# Allegro board HY_MWYT_3S12_V10A.brd (continued)
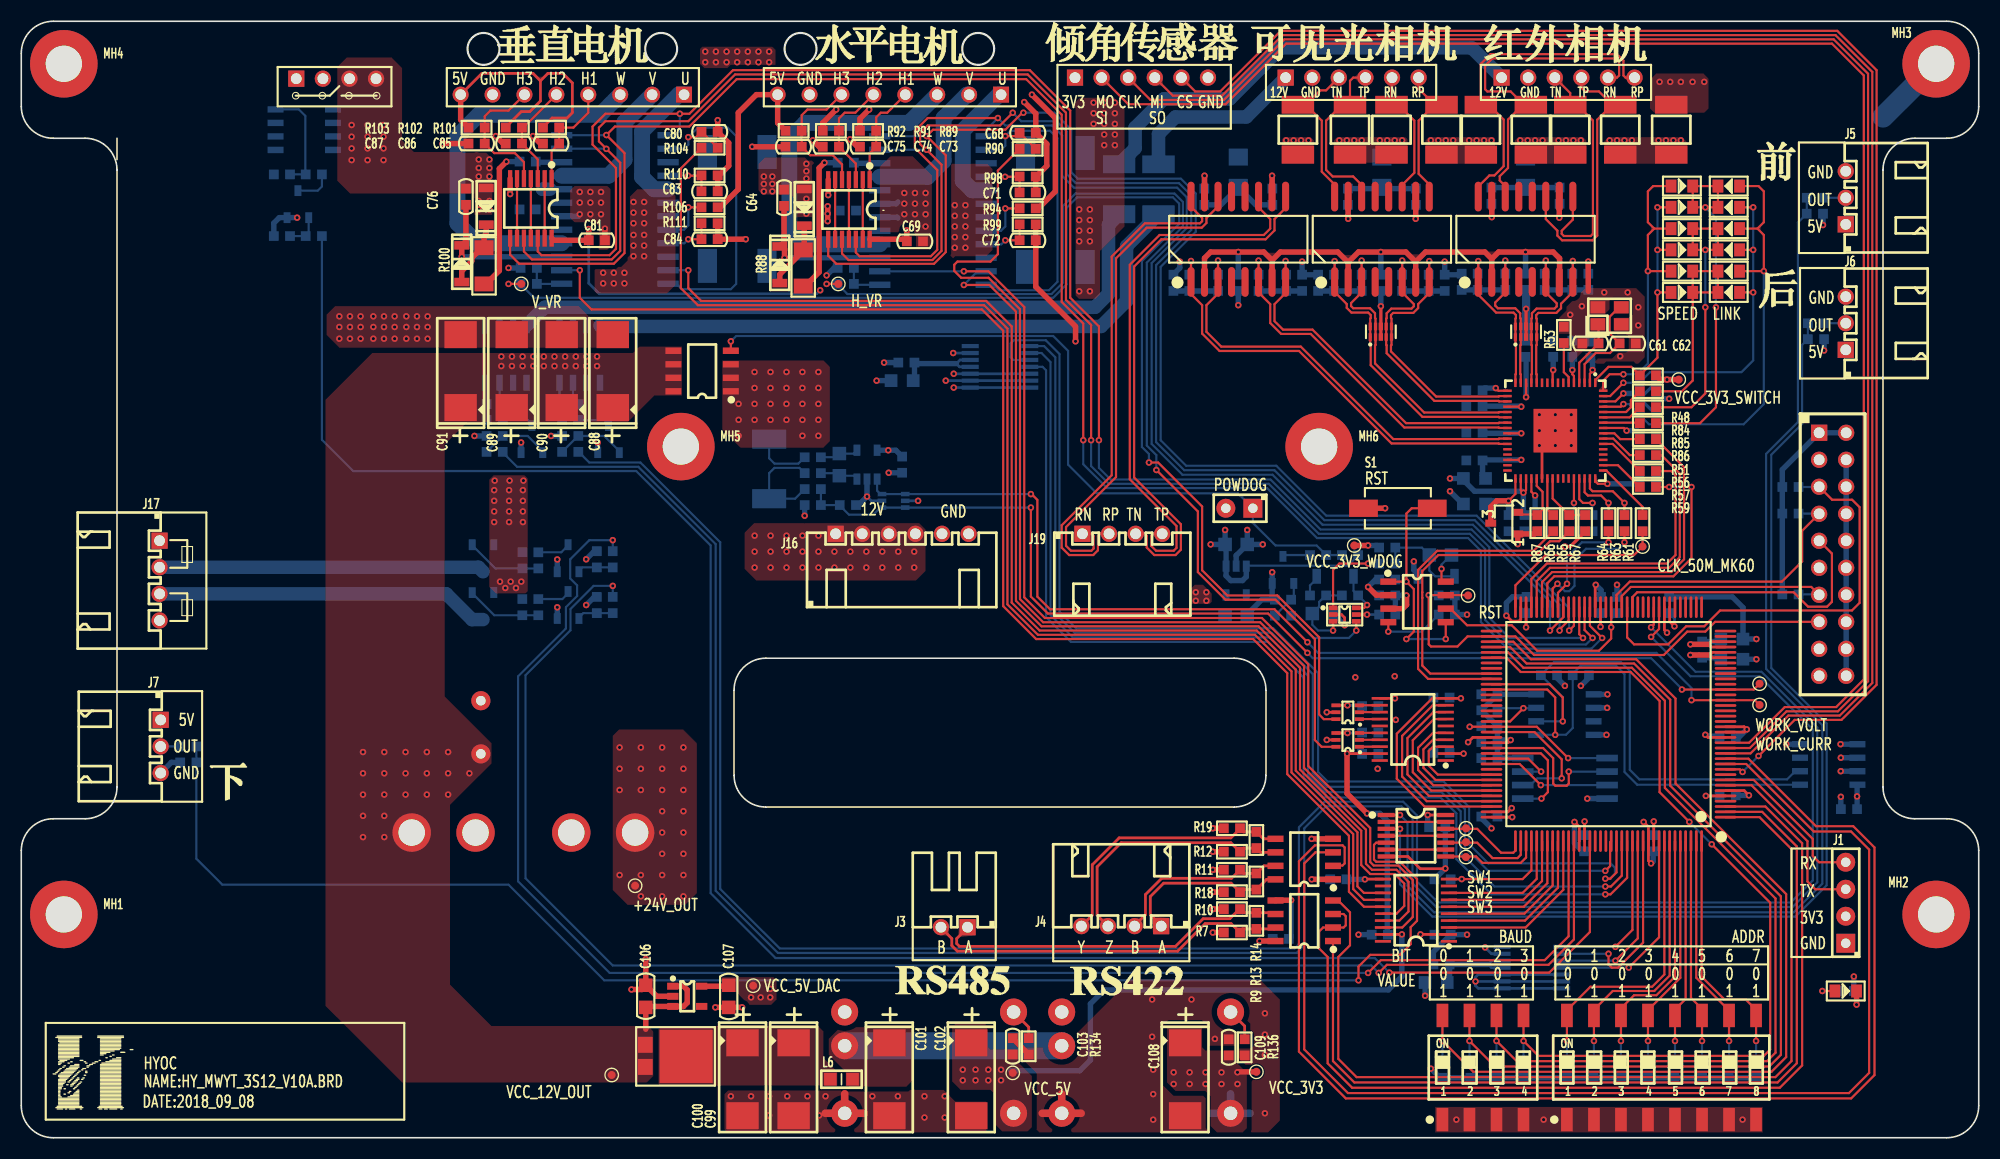
[diagram p0: board, top side]
## Routing (per net, layer and track width the routed paths; a pad name or vN(x,y) marks a point on that pad's centre or on a via; arc(x,y) is an arc through that point) (continued)
VCC_5V_DAC: length 7.5
  TOP w0.254: U4.4 v1(124.67,38.06) ; U5.4 v1(124.67,40.66)
  TOP w0.508: U28.5 66.41,14.25 C107.1
  BOTTOM w0.254: v1(124.67,38.06) 126,38.06 C6.2 ; v1(124.67,40.66) 125.97,40.66 C5.2
  vias: v1(68.6,13.2) v1(69.5,13.2) v1(70.4,14) v1(70.4,13.2)
VCC_12V: length 9.9
  BOTTOM w0.203: R114.2 73.14,63 70.8,63 70.3,62.5 R118.2 72.74,60.1 R119.2
  vias: v1(68.93,56.62) v1(68.93,55.12) v1(68.93,53.62) v1(70.43,56.62) v1(70.43,55.12) v1(70.43,53.62) v1(71.93,56.62) v1(71.93,55.12) v1(71.93,53.62) v1(73.43,56.62) v1(73.43,55.12) v1(73.43,53.62) v1(74.93,56.62) v1(74.93,55.12) v1(74.93,53.62) v1(76.43,55.12) v1(76.43,53.62) v1(77.93,55.12) v1(77.93,53.62) v1(79.43,55.12) v1(79.43,53.62) v1(80.93,55.12) v1(80.93,53.62) v1(82.43,55.12) v1(82.43,53.62) v1(83.93,55.12) v1(83.93,53.62)
VCC_12V_FARIR: length 42.8
  BOTTOM w1.27: J12.1 136.35,102.5 118.4,102.5 113.6,97.7 107.4,97.7 104.7,95 104.7,93.05 F2.2
VCC_12V_IN: length 25.6
  BOTTOM w0.203: R118.1 70.4,65.6 70.3,65.5 70.3,63.9 70.8,63.4 73.04,63.4 R115.2 ; U27.3 115.2,53.8 124.7,53.8 125.66,54.76 R25.1
  BOTTOM w0.508: U27.3 115.15,52.76 114.79,52.4 113.7,52.4 113.25,52.85 U27.1 113.25,55.71 C104.1 ; C104.1 v1(113.16,57.16) ; C104.1 v1(111.8,55.8)
  vias: v1(67.43,69.02) v1(67.43,67.52) v1(67.43,66.02) v1(68.93,72.02) v1(68.93,70.52) v1(68.93,69.02) v1(68.93,67.52) v1(70.43,72.02) v1(70.43,70.52) v1(70.43,69.02) v1(70.43,67.52) v1(71.93,72.02) v1(71.93,70.52) v1(71.93,69.02) v1(71.93,67.52) v1(73.43,72.02) v1(73.43,70.52) v1(73.43,69.02) v1(73.43,67.52) v1(73.43,66.02) v1(74.93,72.02) v1(74.93,70.52) v1(74.93,69.02) v1(74.93,67.52) v1(74.93,66.02)
VCC_12V_OUT: length 13.2
  TOP w0.508: 58.7,10.2 C106.1 58.79,12.35 U28.3 62.25,12.35 62.6,12.7 62.6,13.9 62.25,14.25 U28.1
  BOTTOM w0.203: R113.2 44.96,69.3 Q4.3 ; Q3.3 51.86,69.5 R112.2
  vias: v1(32.12,36.27) v1(32.12,34.27) v1(32.12,32.27) v1(32.12,30.27) v1(32.12,28.27) v1(34.12,36.27) v1(34.12,34.27) v1(34.12,32.27) v1(34.12,30.27) v1(34.12,28.27) v1(36.12,36.27) v1(36.12,34.27) v1(36.12,32.27) v1(38.12,36.27) v1(38.12,34.27) v1(38.12,32.27) v1(40.12,36.27) v1(40.12,34.27) v1(40.12,32.27) v1(42.12,34.27) v1(45.12,73.47) v1(45.12,72.57) v1(46.12,73.47) v1(46.12,72.57) v1(47.12,73.47) v1(47.12,72.57) v1(48.12,73.47) v1(48.12,72.57) v1(49.12,73.47) v1(49.12,72.57) v1(50.12,73.47) v1(50.12,72.57) v1(51.12,73.47) v1(51.12,72.57) v1(52.12,73.47) v1(52.12,72.57) v1(53.12,73.47) v1(53.12,72.57) v1(54.12,73.47) v1(54.12,72.57)
VCC_12V_PHOTO: length 17
  BOTTOM w1.27: J13.1 115.15,96 108.5,96 106.9,94.4 F1.2
VCC_24V_MOTOR: length 3.2
  TOP w0.508: v1(75.8,87.6) v1(75.8,86.9) v1(75.8,86.2)
  BOTTOM w0.508: 49.7,89.2 U21.20
  BOTTOM w1.27: 49.7,89.2 49.01,89.2 49,89.2
  vias: v1(31.05,95.24) v1(31.05,94.14) v1(31.05,93.04) v1(31.05,91.94) v1(32.55,95.24) v1(32.55,94.14) v1(32.55,93.04) v1(32.55,91.94) v1(34.05,95.24) v1(34.05,94.14) v1(34.05,93.04) v1(34.05,91.94) v1(43,92) v1(43,91.2) v1(43,90.4) v1(43,88.1) v1(43,87.3) v1(44,92) v1(44,91.2) v1(44,90.4) v1(44,88.1) v1(44,87.3) v1(69.8,90.4) v1(69.8,89.7) v1(69.8,89) v1(70.6,90.4) v1(70.6,89.7) v1(70.6,89) v1(73.8,91.6) v1(73.8,90.9) v1(73.8,90.2) v1(73.8,88.3) v1(73.8,87.6) v1(73.8,86.9)
VDDA3V3: length 8
  TOP w0.254: U2.31 158.95,45.15 158.7,45.4 158.95,45.65 U2.32
  TOP w0.508: 158.7,45.4 v1(156.9,45.4)
  BOTTOM w0.508: v1(156.9,45.4) 157.74,45.4 C18.1 159.62,45.14 L1.2
VSSA: length 8.2
  TOP w0.254: U2.33 158.85,46.15 158.6,46.4 158.85,46.65 U2.34
  TOP w0.508: 158.6,46.4 v1(156.9,46.4)
  BOTTOM w0.508: L2.2 159.52,46.66 C18.2 157.74,46.4 v1(156.9,46.4)
ADDR0: length 27.9
  TOP w0.203: U2.137 154.45,15.35 153.3,14.2 147.5,14.2 145.29,11.99 SW1.16 v1(145.29,9.1)
  BOTTOM w0.203: R40.2 145.29,7.17 v1(145.29,9.1)
ADDR1: length 26
  TOP w0.203: U2.138 154.95,15.25 153.5,13.8 149.6,13.8 147.83,12.03 SW1.15 v1(147.83,9.1)
  BOTTOM w0.203: R41.2 147.82,7.16 147.83,7.17 v1(147.83,9.1)
ADDR2: length 24.1
  TOP w0.203: v1(150.37,9.1) SW1.14 150.37,12.17 151.6,13.4 153.7,13.4 155.45,15.15 U2.139
  BOTTOM w0.203: v1(150.37,9.1) 150.37,7.17 150.38,7.16 R36.2
ADDR3: length 22
  TOP w0.203: U2.140 155.95,15.04 152.91,12 SW1.13 v1(152.91,9.1)
  BOTTOM w0.203: v1(152.91,9.1) 152.91,7.17 R37.2
ADDR4: length 21.2
  TOP w0.203: v1(155.45,9.1) SW1.12 155.45,12.05 156.45,13.05 U2.141
  BOTTOM w0.203: v1(155.45,9.1) 155.45,7.17 155.44,7.16 R42.2
ADDR5: length 21.2
  TOP w0.203: U2.142 156.95,13.15 157.99,12.11 SW1.11 v1(157.99,9.1)
  BOTTOM w0.203: R43.2 157.99,7.17 v1(157.99,9.1)
ADDR6: length 22
  TOP w0.203: U2.143 157.45,15.05 160.53,11.97 SW1.10 v1(160.53,9.1)
  BOTTOM w0.203: v1(160.53,9.1) 160.53,7.17 160.52,7.16 R44.2
ADDR7: length 24.1
  TOP w0.203: v1(163.07,9.1) SW1.9 163.07,12.03 162.1,13 160.1,13 157.95,15.15 U2.144
  BOTTOM w0.203: v1(163.07,9.1) 163.07,7.17 163.08,7.16 R45.2
ANGE_CLK: length 147.2
  TOP w0.203: U2.14 162.48,36.65 165.93,40.1 170.77,40.1 173.6,42.93 173.6,100.07 170.37,103.3 118.73,103.3 113.04,97.6 106.15,97.6 J9.3
ANGE_CSN: length 145.3
  TOP w0.203: J9.5 110.35,98.4 112.7,98.4 118.4,104.1 170.7,104.1 174.4,100.4 174.4,42.6 171.1,39.3 166.7,39.3 v1(163.3,35.9) ; U2.10 161.55,34.65 v1(161.8,34.4)
  BOTTOM w0.203: v1(163.3,35.9) v1(161.8,34.4)
ANGE_MISO: length 145.9
  TOP w0.203: U2.13 162.55,36.15 166.1,39.7 170.93,39.7 174,42.77 174,100.23 170.53,103.7 118.57,103.7 112.87,98 108.25,98 J9.4
ANGE_MOSI: length 148.5
  TOP w0.203: U2.15 162.42,37.15 165.77,40.5 170.6,40.5 173.2,43.1 173.2,99.9 170.2,102.9 118.9,102.9 113.2,97.2 104.05,97.2 J9.2
BAUD0: length 96
  TOP w0.203: SW2.8 v1(133.59,9.1) 136.49,6.2 164.51,6.2 165.9,7.59 165.9,22.91 155.5,33.31 155.5,41.3 151.8,45 141.9,45 140.25,46.65 U2.75
  BOTTOM w0.203: R38.2 133.59,7.17 v1(133.59,9.1)
BAUD1: length 91.7
  TOP w0.203: SW2.7 v1(136.13,9.1) 138.53,6.7 164.31,6.7 165.4,7.79 165.4,22.71 155,33.11 155,41.2 151.6,44.6 141.5,44.6 139.95,46.15 U2.76
  BOTTOM w0.203: R39.2 136.14,7.16 136.13,7.17 v1(136.13,9.1)
BAUD2: length 87.3
  TOP w0.203: U2.77 139.75,45.65 141.2,44.2 151.4,44.2 154.5,41.1 154.5,32.9 164.9,22.5 164.9,8 164.1,7.2 140.57,7.2 v1(138.67,9.1) SW2.6
  BOTTOM w0.203: v1(138.67,9.1) 138.67,7.17 138.68,7.16 R46.2
BAUD3: length 82.9
  TOP w0.203: SW2.5 v1(141.21,9.1) 142.61,7.7 163.8,7.7 164.4,8.3 164.4,22.1 v1(158.9,27.6) ; v1(156.8,29.7) 154,32.5 154,41.08 151.28,43.8 140.95,43.8 139.6,45.15 U2.78
  BOTTOM w0.203: v1(156.8,29.7) v1(158.9,27.6) ; R47.2 141.21,7.17 v1(141.21,9.1)
C0_LED: length 43.8
  TOP w0.203: D11.1 163.2,85.5 ; 163.2,85.5 163.8,84.9 v1(163.8,81.5) D13.1 ; 163.2,85.5 163.8,86.1 163.8,89 163.3,89.5 D9.1 ; U15.61 150.35,68.75 v1(150.6,69)
  BOTTOM w0.203: v1(150.6,69) 151.14,69 R49.1 152.14,67.96 153,67.1 161.9,67.1 163.8,69 v1(163.8,81.5)
C1_LED: length 33.8
  TOP w0.203: D14.1 v1(162.8,79.5) ; D10.1 v1(162.8,87.5) ; v1(162.8,83.5) D12.1 ; v1(150.6,71) 149.35,69.75 U15.63
  BOTTOM w0.203: v1(162.8,87.5) v1(162.8,83.5) v1(162.8,79.5) 162.8,73.1 161.7,72 153.1,72 152.14,71.04 R54.1 v1(150.6,71)
C2_LED: length 28.7
  TOP w0.203: 153.5,85.5 152.9,86.1 152.9,89 153.4,89.5 D3.1 ; 153.5,85.5 152.9,84.9 v1(152.9,81.5) D7.1 ; 153.5,85.5 D5.1 ; U15.64 148.7,71.2 149.3,71.8 v1(150.6,71.8)
  BOTTOM w0.203: v1(152.9,81.5) 152.9,72.8 151.9,71.8 v1(150.6,71.8)
C3_LED: length 25.6
  TOP w0.203: v1(153.8,83.5) D6.1 ; D4.1 v1(153.8,87.5) ; U15.1 147.95,71.25 149.2,72.5 151.34,72.5 R48.2 153.8,73.36 v1(153.8,79.5) D8.1
  BOTTOM w0.203: v1(153.8,87.5) v1(153.8,83.5) v1(153.8,79.5)
CLK_50M: length 16.9
  TOP w0.203: U2.72 140.45,51.95 143.3,54.8 151.6,54.8 TP5.1 R61.2
CTL_HEATER_1: length 151.3
  TOP w0.203: U2.119 145.45,18.95 143.2,16.7 127.8,16.7 v1(126.6,15.5)
  BOTTOM w0.203: R129.2 v1(55.6,56.2) 53.4,56.2 51.6,54.4 51.6,52.6 52.25,51.95 52.25,50.95 51.2,49.9 51.2,47.9 46.7,43.4 46.7,24.11 55.31,15.5 v1(126.6,15.5)
CTL_HEATER_2: length 145.8
  TOP w0.203: v1(127.6,15.5) 128.36,16.26 143.56,16.26 145.95,18.65 U2.120
  BOTTOM w0.203: R130.2 v1(55.6,51.9) 53.8,51.9 51.62,49.72 51.62,47.72 47.4,43.5 47.4,24.4 55.6,16.2 58.44,16.2 58.45,16.19 58.95,16.19 58.96,16.2 126.9,16.2 v1(127.6,15.5)
CTL_RELAY: length 188.4
  TOP w0.203: U2.123 147.45,19.35 143.63,15.53 v1(128.6,15.53)
  BOTTOM w0.203: v1(128.6,15.53) 127.23,16.9 70.9,16.9 64.8,23 64.8,55.7 57.8,62.7 31.2,62.7 28.26,65.64 R141.1
DAC_H_DIN: length 12.8
  TOP w0.203: 133.9,38.08 132.7,38.08 131.3,36.67 131.3,34.59 132.74,33.15 U2.102
DAC_H_SCLK: length 11.1
  TOP w0.203: U2.101 132.94,33.65 131.8,34.79 131.8,36.52 132.7,37.42 U3.4
DAC_H_SYNC: length 9.4
  TOP w0.203: U3.3 132.7,36.77 132.3,36.38 132.3,35 133.15,34.15 U2.100
DAC_MOTOR_OE: length 22.7
  TOP w0.203: U3.10 132.62,41.33 129.3,38 129.3,33.76 131.91,31.15 U2.106
  TOP w0.254: v1(135.32,41.33) U3.10
  BOTTOM w0.254: R2.1 134.34,41.33 v1(135.32,41.33)
DAC_V_DIN: length 18.5
  TOP w0.203: U3.9 132.68,40.67 129.8,37.79 129.8,33.96 132.11,31.65 U2.105
DAC_V_SCLK: length 16.8
  TOP w0.203: U2.104 132.32,32.15 130.3,34.17 130.3,37.59 132.74,40.02 U3.8
DAC_V_SYNC: length 15
  TOP w0.203: U3.7 132.8,39.38 130.8,37.38 130.8,34.38 132.53,32.65 U2.103
E6071_AVDD_1.8V: length 26.8
  TOP w0.203: v1(144,72.2) 143.95,72.15 U15.9 ; v1(145.8,72.2) 145.8,71.8 145.95,71.65 U15.5 ; U15.25 v1(141,66.25) ; U15.14 v1(141.45,69.65) ; U15.20 v1(141,68.75) ; U15.30 v1(141,63.75)
  BOTTOM w0.508: v1(141,68.75) 140.95,68.8 C59.2 ; v1(144,72.2) C60.2 ; v1(145.8,72.2) C58.2 ; v1(141,63.75) 137.41,63.75 C57.2 137.36,62.28 L3.2 ; v1(141,66.25) 137.41,66.25 C56.2 ; v1(141.45,69.65) 141.45,73.39 C55.2
E6071_CT_1.8V: length 67.9
  TOP w0.203: 141.2,60.66 140.95,60.91 U15.34 ; 141.2,60.66 141.45,60.91 U15.35 ; 141.2,60.66 v1(141.2,60.66)
  TOP w0.508: 124.72,82.33 123.75,83.3 118.35,83.3 117.58,82.53 ; 124.72,82.33 124.72,80.49 ; 124.72,82.33 125.7,83.3 v1(127.8,83.3) 130.15,83.3 131.07,82.38 ; 138.22,82.66 T1.2 ; 138.22,82.66 137.58,83.3 132,83.3 131.07,82.38 ; 138.22,82.66 138.87,83.3 v1(141.4,83.3) 144,83.3 144.6,82.7 144.6,80.51 T1.7 ; 117.58,82.53 116.8,83.3 v1(114.4,83.3) 111.8,83.3 111.22,82.72 111.22,80.49 ; 117.58,82.53 T3.7 ; 131.07,82.38 T2.7
  BOTTOM w0.508: C40.2 v1(127.8,83.3) ; v1(134.3,62) L3.1 135.56,61.84 136.6,60.8 141.06,60.8 v1(141.2,60.66) 141.2,58.66 C54.2 ; C34.2 v1(141.4,83.3) ; C44.2 v1(114.4,83.3)
E6071_VDD_CORE_1.2V: length 12.5
  TOP w0.203: U15.2 147.45,71.85 147.7,72.1 v1(147.7,72.2) ; U15.57 150.65,66.75 v1(150.9,66.5) ; U15.17 138.85,70.25 v1(138.6,70.5) ; v1(142.3,60.4) 141.95,60.75 U15.36
  BOTTOM w0.508: v1(138.6,70.5) 137.56,70.5 C51.2 ; v1(147.7,72.2) 147.7,73.14 C50.2 ; v1(142.3,60.4) 142.3,59.06 C53.2 ; v1(150.9,66.5) 151.84,66.5 C52.2
FARIR_RXN: length 32.4
  TOP w0.203: 141.25,97.15 140,98.4 137.8,98.4 137.6,98.6 137.6,100.83 138.27,101.5 149.83,101.5 150.2,101.13 150.2,99.9 149.99,99.7 J12.5 ; 141.25,97.15 GDT1.1 ; 141.25,97.15 141.15,97.15 139.75,95.75 139.75,91.2 138.97,90.43 138.97,90.03 139.5,89.5 T1.14
FARIR_RXP: length 31.6
  TOP w0.203: T1.16 136.96,89.45 138,90.5 138.47,90.5 139.35,91.37 139.35,95.75 137.95,97.15 GDT2.1 137.19,97.16 137.19,100.99 138.11,101.91 149.99,101.91 150.6,101.3 150.6,99.9 150.81,99.7 J12.6
FARIR_TXN: length 23.6
  TOP w0.203: J12.3 145.6,98.25 GDT4.2 146.25,97.15 147.73,95.67 147.73,85.01 147.53,84.81 145,84.81 144.8,85.01 144.8,85.3 145.84,86.34 T1.9
FARIR_TXP: length 26.4
  TOP w0.203: J12.4 146.65,98.75 147,98.4 148.3,98.4 149.55,97.15 148.14,95.74 148.14,84.84 147.7,84.4 144.83,84.4 144.39,84.84 144.39,85.31 143.31,86.39 T1.11
  TOP w0.762: 149.55,97.15 GDT3.2
FARIRPOW_CON: length 219
  TOP w0.203: U2.46 153.45,48.25 v1(153.2,48)
  BOTTOM w0.203: R121.2 45.26,64.44 46.6,63.1 58,63.1 65.28,55.82 65.28,23.22 71.12,17.38 119.88,17.38 120.6,18.1 120.6,29.1 122.66,31.16 129.74,31.16 130.78,30.12 130.78,23.92 133,21.7 166.5,21.7 168.82,24.02 168.82,38.58 163.58,43.82 157.38,43.82 v1(153.2,48)
H_BRK: length 104
  TOP w0.203: v1(88.6,81.48) 90.92,81.48 94.28,78.12 94.28,50.82 96.22,48.88 116.62,48.88 120.98,44.52 120.98,34.95 126.8,29.13 126.8,25.93 127.13,25.6 129.43,25.6 130.8,24.23 130.8,20.76 129.81,19.77 U1.18
  BOTTOM w0.203: U19.14 v1(88.6,81.48)
H_DIAG: length 32.6
  TOP w0.203: R90.2 93.86,94.5 C68.1 93.54,94.2 v1(92.5,94.2)
  BOTTOM w0.203: U19.2 92.11,92.92 92.5,93.3 v1(92.5,94.2) 93,94.7 96.7,94.7 97.4,94 97.4,80.5 96.6,79.7 91.9,79.7 91.39,80.22 U19.12
H_EN: length 111.3
  TOP w0.203: U1.17 129.54,20.43 130.4,21.28 130.4,24.07 129.27,25.2 126.97,25.2 126.4,25.77 126.4,28.97 120.58,34.79 120.58,44.36 116.46,48.48 96.06,48.48 93.88,50.66 93.88,77.92 90.92,80.88 88.35,80.88 87.7,81.52 87.7,82.1 88,82.4 91.1,82.4 91.8,83.1 91.8,90.96 R90.1
H_ENCODER_CLK: length 19.3
  TOP w0.203: U2.133 152.45,18.35 150.1,16 149.5,16 149.2,16.3 v1(149.2,17.3)
  BOTTOM w0.203: U54.2 v1(149.2,17.3)
H_ENCODER_CSN: length 15.7
  TOP w0.203: U2.131 151.45,19.55 v1(149.85,17.95)
  BOTTOM w0.203: U54.1 v1(149.85,17.95)
H_ENCODER_MISO: length 17.2
  TOP w0.203: v1(149.85,16.65) 151.95,18.75 U2.132
  BOTTOM w0.203: U54.3 v1(149.85,16.65)
H_ENCODER_MOSI: length 19.4
  TOP w0.203: v1(151.1,16) 153.95,18.85 U2.136
  BOTTOM w0.203: U54.4 v1(151.1,16)
H_F/R: length 95.2
  TOP w0.203: U1.16 129.28,21.07 130,21.8 130,23.9 129.1,24.8 126.8,24.8 125.96,25.64 125.96,28.88 120.2,34.63 120.2,44.2 116.3,48.1 95.9,48.1 93.5,50.5 93.5,77.7 91,80.2 v1(88.6,80.2)
  BOTTOM w0.203: v1(88.6,80.2) 89.89,81.48 U19.11
H_H1: length 128.5
  TOP w0.203: U20.12 78.45,83.25 78.8,82.9 85.5,82.9 86.1,83.5 86.1,91 84,93.1 84,94.7 85.2,95.9 v1(91.8,95.9) ; U2.63 144.95,48.95 v1(143.7,47.7)
  BOTTOM w0.203: U19.1 90.7,94.8 v1(91.8,95.9) 92.5,95.2 96.9,95.2 97.85,94.25 97.85,90.45 98.95,89.35 108.65,89.35 109.55,88.45 109.55,85.55 106.25,82.25 106.25,65.25 109.15,62.35 117.62,62.35 122.32,57.65 136.45,57.65 143.7,50.4 v1(143.7,47.7)
H_H2: length 133.3
  TOP w0.203: v1(93.2,96.4) 92,95.2 85.2,95.2 84.49,94.49 84.49,93.45 85.02,92.92 v1(85.1,92.92) 86.5,91.52 86.5,83.4 85.65,82.54 77.76,82.54 77.15,83.15 U20.10 ; v1(144.6,47.7) 144.6,47.8 145.45,48.65 U2.62
  BOTTOM w0.203: v1(93.2,96.4) 94,95.6 97.3,95.6 98.28,94.62 98.28,90.62 99.12,89.78 108.82,89.78 109.98,88.62 109.98,85.38 106.68,82.08 106.68,65.42 109.32,62.78 117.79,62.78 122.49,58.08 136.62,58.08 144.6,50.1 v1(144.6,47.7) ; v1(85.1,92.92) U19.23
H_H3: length 135.1
  TOP w0.203: v1(94.2,96.4) 94.1,96.4 92.51,94.81 92.25,94.81 92.24,94.8 85.7,94.8 v1(85.1,94.2) 86.9,92.4 86.9,83.29 85.79,82.19 76.61,82.19 75.85,82.95 U20.8 ; v1(145.5,47.7) 145.95,48.15 U2.61
  BOTTOM w0.203: v1(145.5,47.7) 145.5,49.8 136.8,58.5 122.67,58.5 117.97,63.2 109.5,63.2 107.1,65.6 107.1,81.9 110.4,85.2 110.4,88.8 109,90.2 99.3,90.2 98.7,90.8 98.7,94.8 97.1,96.4 v1(94.2,96.4) ; v1(85.1,94.2) 85.08,94.19 U19.24
H_MOTOR_U: length 12.3
  BOTTOM w1.5: J14.1 91.9,98.1 88.5,94.7 88.5,90 89.39,89.11 U19.5
H_MOTOR_V: length 14
  BOTTOM w1.5: J14.2 88.9,98.1 86.7,95.9 86.7,91.88 85.2,90.38 U19.21
H_MOTOR_W: length 33.1
  BOTTOM w1.5: U19.16 73.78,84.03 72.2,85.6 72.2,93.94 73.7,95.44 83.44,95.44 J14.3
H_VR: length 107
  TOP w0.203: U4.6 122.23,36.77 121.6,37.4 121.6,46.9 117.9,50.6 113.2,50.6 110.6,53.2 110.6,58.9 v1(106.7,62.8) ; TP1.1 v1(75.7,80.3)
  BOTTOM w0.203: v1(75.7,80.3) R96.1 76.74,80.26 77.66,79.34 96.84,79.34 97.9,80.4 97.9,87.6 99.1,88.8 108.4,88.8 109.2,88 109.2,85.7 105.8,82.3 105.8,65.1 106.7,64.2 v1(106.7,62.8)
HEATER_1: length 30.6
  BOTTOM w1.27: J17.2 42.98,53.65 Q7.3
HEATER_2: length 31.4
  BOTTOM w1.27: J17.3 39.95,51.15 42.37,48.73 Q8.3
HORI_H1: length 9.7
  TOP w0.203: U20.1 79.75,92.59 C73.1 R89.2 80.36,95.96 80.8,96.4 81.4,96.4 J14.4
HORI_H2: length 10.6
  TOP w0.203: U20.3 78.45,91.61 C74.1 R91.2 76.86,95.86 77.4,96.4 78.4,96.4 J14.5
HORI_H3: length 13.4
  TOP w0.203: J14.6 75.7,96.7 73.9,96.7 73.36,96.16 R92.2 C75.1 74.16,92.4 76.29,92.4 77.15,91.54 U20.5
I2C0_PROT: length 7.3
  TOP w0.203: U2.90 139.95,39.15 v1(141.2,40.4)
  BOTTOM w0.203: R20.1 138.96,40.4 v1(141.2,40.4) 142.37,40.4 U10.7
I2C0_SCLK: length 52.4
  TOP w0.203: v1(144.9,39.16) 144.9,41.4 143.65,42.65 U2.83
  BOTTOM w0.203: U11.2 166.75,34.47 165.98,33.7 152.1,33.7 151.2,34.6 151.2,43.9 150.36,44.74 144.08,44.74 R17.1 144.9,41.44 v1(144.9,39.16) U10.6
I2C0_SDATA: length 50.3
  TOP w0.203: v1(144.19,37.89) 144.19,41.4 143.44,42.15 U2.84
  BOTTOM w0.203: U10.5 v1(144.19,37.89) 144.2,37.9 145.2,37.9 145.84,38.54 R16.1 145.84,43.64 146.59,44.39 149.91,44.39 150.7,43.6 150.7,34.4 151.9,33.2 U11.1
JTAG_TCLK: length 26.9
  TOP w0.203: J2.9 170.2,54.94 170.2,50.4 169.74,49.94 167.96,49.94 166.6,51.3 151.9,51.3 151.45,50.85 U2.50
JTAG_TDI: length 42.1
  TOP w0.203: U2.51 150.95,47.05 151.6,46.4 154.8,46.4 156.5,48.1 158.2,48.1 159.69,49.59 172.09,49.59 172.8,50.3 172.8,59.3 172.1,60 170.22,60 J2.5
  BOTTOM w0.203: J2.5 168.98,61.2 R3.2
JTAG_TDO: length 22.2
  TOP w0.203: J2.13 168.26,51.8 151.3,51.8 150.45,50.95 U2.52
  BOTTOM w0.203: J2.13 168.96,51.1 R4.2
JTAG_TMS: length 27
  TOP w0.203: U2.53 149.95,51.05 151.2,52.3 165.5,52.3 167.4,54.2 167.4,57.08 J2.7
  BOTTOM w0.203: R5.2 168.98,58.7 J2.7
MDC: length 3.7
  TOP w0.203: R66.1 143.45,59.11 U15.39
MDIO: length 5.6
  TOP w0.203: R67.1 R65.1 143.95,60.11 U15.40
MK60_H_BRK: length 16.8
  TOP w0.203: U1.3 141.41,19.77 144.95,23.31 U2.118
MK60_H_EN: length 15.9
  TOP w0.203: U2.117 144.45,23.52 141.35,20.43 U1.4
MK60_H_F/R: length 15
  TOP w0.203: U2.116 143.95,23.73 141.3,21.07 U1.5
MK60_MOTOR_OE: length 11.9
  TOP w0.203: U2.112 141.95,25.15 141.12,24.32 v1(135.4,24.32) U1.10
  BOTTOM w0.203: R1.1 135.38,24.3 v1(135.4,24.32)
MK60_V_BRK: length 14.1
  TOP w0.203: U1.6 141.24,21.73 143.45,23.94 U2.115
MK60_V_EN: length 13.2
  TOP w0.203: U2.114 142.95,24.14 141.18,22.38 U1.7
MK60_V_F/R: length 12.3
  TOP w0.203: U2.113 142.45,24.35 141.12,23.02 U1.8
OUT1: length 2.1
  BOTTOM w0.203: J5.2 R29.1
OUT2: length 2
  BOTTOM w0.203: J6.2 R32.1
OUT3: length 1.8
  BOTTOM w0.203: J7.2 R34.1
P5_ID0: length 4.1
  TOP w0.203: U15.55 149.65,65.75 151.2,64.2 R56.1
P5_ID1: length 4.5
  TOP w0.203: U15.54 149.59,65.25 R57.1
P5_INDV: length 3.7
  TOP w0.203: U15.56 149.75,66.25 150.3,65.7 R51.1
P5_MODE0: length 7
  TOP w0.203: R63.1 v1(150.7,59.7) 149.6,60.8 147.7,60.8 147.45,61.05 U15.47
  BOTTOM w0.203: R63.1 v1(150.7,59.7)
P5_MODE1: length 6.2
  TOP w0.203: U15.46 146.95,60.71 147.26,60.4 148.5,60.4 v1(149.2,59.7) R64.1
  BOTTOM w0.203: v1(149.2,59.7) R64.1
P5_MODE2: length 4.5
  TOP w0.203: v1(147.7,59.7) 146.8,59.7 146.45,60.05 U15.45
  BOTTOM w0.203: v1(147.7,59.7) R82.1
P5_MODE3: length 3.5
  TOP w0.203: U15.44 v1(145.95,59.7)
  BOTTOM w0.203: v1(145.95,59.7) 145.95,58.81 R83.1
P5_OUTCLK: length 5.9
  TOP w0.203: R61.1 152.4,59.34 148.99,62.75 U15.49
P5_OUTDV: length 4.3
  TOP w0.203: R59.1 150.09,63.25 U15.50
PHOTO_RXN: length 13
  TOP w0.203: T2.11 129.81,89.61 130.95,90.75 130.95,95.65 129.45,97.15 GDT7.2 128.8,99.65 J13.5
PHOTO_RXP: length 13.5
  TOP w0.203: 132.85,97.15 131.35,98.65 J13.6 ; 132.85,97.15 131.35,95.65 131.35,90.65 132.34,89.66 T2.9 ; 132.85,97.15 GDT8.2
PHOTO_TXN: length 14.7
  TOP w0.203: GDT6.1 120.75,97.15 ; 120.75,97.15 122.1,98.5 122.65,98.5 J13.3 ; 120.75,97.15 122.25,95.65 122.25,90.85 123.45,89.64 T2.16
PHOTO_TXP: length 16.3
  TOP w0.203: J13.4 125.2,99.7 124.9,99.4 GDT5.1 124.15,97.15 122.65,95.65 122.65,91.02 123.27,90.4 125.2,90.4 126,89.61 T2.14
PHOTOPOW_CON: length 211.2
  TOP w0.203: v1(153.2,47.1) 153.95,47.85 U2.45
  BOTTOM w0.203: v1(153.2,47.1) 156.9,43.4 163.4,43.4 168.4,38.4 168.4,24.2 166.32,22.12 133.18,22.12 131.2,24.1 131.2,30.3 129.9,31.6 122.5,31.6 120.1,29.2 120.1,18.2 119.7,17.8 71.3,17.8 65.7,23.4 65.7,56 58.2,63.5 53.4,63.5 52.4,64.5 R120.2
PHOTOSW1: length 8.5
  TOP w0.203: 135.75,29.05 136.85,29.05 139.1,26.8 140.25,26.8 140.45,27 U2.109 ; 135.75,29.05 U14.12 ; 135.75,29.05 TP8.1
PHOTOSW2: length 9.1
  TOP w0.203: 135.75,27.75 136.85,27.75 138.3,26.3 140.65,26.3 140.95,26.6 U2.110 ; 135.75,27.75 U14.10 ; 135.75,27.75 TP7.1
PHOTOSW3: length 9.6
  TOP w0.203: U2.111 141.45,26.35 140.95,25.85 137.35,25.85 136.75,26.45 135.75,26.45 ; 135.75,26.45 TP6.1 ; 135.75,26.45 U14.8
R0_LED: length 3.5
  TOP w0.203: U15.58 152.09,67.25 R86.1
R1_LED: length 3.8
  TOP w0.203: R85.1 151.19,67.75 U15.59
R2_LED: length 4.6
  TOP w0.203: R84.1 151.3,69.36 151.3,68.7 150.85,68.25 U15.60
RESETN_SWITCH: length 5.8
  TOP w0.203: U15.37 142.45,61.3 143,60.75 143,59.1 142.5,58.6 R87.2 142.45,58.61 140.87,58.61 U47.2
RMII0_CRS_DV: length 26.8
  TOP w0.203: v1(157,61.2) 157,54.5 155.3,52.8 144.1,52.8 143.45,52.15 U2.66 ; R59.2 v1(154.9,61.2)
  BOTTOM w0.203: v1(154.9,61.2) v1(157,61.2)
RMII0_MDC: length 30.8
  TOP w0.203: R66.2 142.16,55.2 133.1,55.2 131.3,53.4 131.3,44.09 132.24,43.15 U2.82
RMII0_MDIO: length 31.1
  TOP w0.203: U2.81 132.45,43.65 131.7,44.4 131.7,50.77 131.69,50.78 131.69,51.28 131.7,51.29 131.7,53.3 133.2,54.8 142.4,54.8 143.7,56.1 144.56,56.1 R65.2
RMII0_RXD0: length 13.4
  TOP w0.203: v1(144.4,52.1) 143.95,51.65 U2.65 ; R63.2 v1(150.7,56)
  BOTTOM w0.203: v1(150.7,56) 150.7,55.9 150.19,55.39 147.09,55.39 146,54.3 146,51.9 145.5,51.4 145.1,51.4 v1(144.4,52.1)
RMII0_RXD1: length 10.6
  TOP w0.203: R64.2 v1(149.2,56) ; v1(145.3,52.1) 144.45,51.25 U2.64
  BOTTOM w0.203: v1(145.3,52.1) 145.3,54.6 146.7,56 v1(149.2,56)
RMII0_TXD0: length 27.7
  TOP w0.203: R56.2 154.17,64.2 155.9,62.47 155.9,54.6 154.9,53.6 143.7,53.6 142.45,52.35 U2.68
RMII0_TXD1: length 26.6
  TOP w0.203: R57.2 155.1,62.7 155.5,62.3 155.5,61.46 155.51,61.45 155.51,60.95 155.5,60.94 155.5,54.8 154.7,54 143.4,54 141.95,52.55 U2.69
RMII0_TXEN: length 29
  TOP w0.203: U2.67 142.95,52.25 143.9,53.2 155.1,53.2 156.3,54.4 156.3,63.06 R51.2
RS422_A: length 16.3
  TOP w0.254: U9.8 117.06,24.3 R13.2 114.8,23.34 R18.1 113.72,23.94 107.39,23.94 106.13,22.68 106.13,20.97 107.15,19.95 J4.1
RS422_B: length 17
  TOP w0.254: U9.7 116.81,25.57 R13.1 114.9,24.86 R11.2 113.76,24.4 107.2,24.4 105.67,22.87 105.67,20.97 104.65,19.95 J4.2
RS422_Y: length 25.3
  TOP w0.254: U9.5 116.75,28.11 R14.2 114.9,28.76 R19.1 114.56,29.06 113.7,28.2 103.2,28.2 100.67,25.67 100.67,20.92 J4.4
RS422_Z: length 24.4
  TOP w0.254: U9.6 116.5,26.84 R14.1 114.9,27.24 R12.2 114.54,26.9 113.7,27.74 103.39,27.74 101.13,25.48 101.13,20.92 J4.3
RS485_A: length 33.7
  TOP w0.254: J3.1 88.95,19.75 87.93,18.73 87.93,18.25 88.18,18 108.5,18 111.1,20.6 113.6,20.6 114.5,21.5 R10.1 114.56,21.4 114.8,21.16 R9.2 117.78,21.16 U8.6
RS485_B: length 34.5
  TOP w0.254: U8.7 117.77,19.64 R9.1 114.8,19.64 114.56,19.4 R7.2 113.72,20.14 111.29,20.14 108.69,17.54 87.99,17.54 87.47,18.06 87.47,18.73 86.45,19.75 J3.2
RST1: length 3.2
  TOP w0.203: v1(133.5,53.5) 133.5,52.5 133.7,52.3 U12.8
  BOTTOM w0.203: C25.1 134.4,54.8 133.5,53.9 v1(133.5,53.5)
RXN1: length 15.1
  TOP w0.203: v1(139.5,82.5) T1.3 139.5,79.5 138.55,78.55 138.55,78.26 138.8,78.01 140.43,78.01 140.9,77.54 140.9,77.08 140.95,77.03 U52.9 U52.2 140.95,74.56 140.9,74.52 140.9,71.83 140.95,71.78 U15.15
  BOTTOM w0.203: R52.2 139.5,81.27 v1(139.5,82.5)
RXN2: length 25.9
  TOP w0.203: U15.19 138.91,69.25 138.87,69.3 132.83,69.3 128.35,73.78 128.35,74.52 128.3,74.56 U53.4 U53.7 128.3,77.03 128.35,77.08 128.35,77.54 128.79,77.98 130.68,77.98 130.9,78.2 130.9,78.4 129.81,79.5 T2.6 v1(129.81,82.5)
  BOTTOM w0.203: v1(129.81,82.5) 129.81,81.17 R71.2
RXN3: length 41
  TOP w0.203: U15.26 138.91,65.75 138.87,65.7 128.97,65.7 120.27,74.4 112.8,74.4 111.41,75.79 111.41,78.3 112.5,79.39 T3.3 v1(112.5,82.5)
  BOTTOM w0.203: v1(112.5,82.5) 112.5,81.17 R76.2
RXP1: length 15.1
  TOP w0.203: v1(136.96,82.44) T1.1 136.96,79.28 138.63,77.6 140.27,77.6 140.5,77.37 140.5,77.08 140.45,77.03 U52.10 U52.1 140.45,74.56 140.5,74.52 140.5,71.83 140.45,71.78 U15.16
  BOTTOM w0.203: v1(136.96,82.44) 136.96,81.32 R50.2
RXP2: length 25.2
  TOP w0.203: U15.18 138.91,69.75 138.87,69.7 133,69.7 128.75,73.95 128.75,74.52 128.8,74.56 U53.5 U53.6 128.8,77.03 128.75,77.08 128.75,77.37 128.96,77.57 130.85,77.57 131.31,78.03 131.31,78.4 132.34,79.44 T2.8 v1(132.34,82.44)
  BOTTOM w0.203: v1(132.34,82.44) 132.34,81.21 R75.2
RXP3: length 41.6
  TOP w0.203: U15.27 138.91,65.25 138.87,65.3 128.8,65.3 120.11,73.99 112.63,73.99 111,75.63 111,78.3 109.95,79.34 T3.1 v1(109.95,82.45)
  BOTTOM w0.203: R72.2 109.95,81.32 v1(109.95,82.45)
SYS_RESET#: length 48.5
  TOP w0.203: TP3.1 135.97,51.03 U12.7 v1(132.3,51.03) 132.3,46.4 132.5,46.2 135,46.2 135.95,47.15 U2.74 140.45,47.15 142.2,45.4 154.4,45.4 156.6,47.6 158.3,47.6 159.22,48.52 J2.15
  BOTTOM w0.203: R21.2 132.33,51 v1(132.3,51.03)
T_RXN: length 47
  TOP w0.203: J19.1 100.59,56.8 100.8,56.6 100.8,55.41 100.59,55.21 98.67,55.21 98.21,55.67 98.21,57.43 102.91,62.13 102.91,82.71 105.79,85.59 110.97,85.59 111.41,86.03 111.41,86.5 112.5,87.59 T3.14
T_RXP: length 48.3
  TOP w0.203: J19.2 101.41,56.8 101.2,56.6 101.2,55.24 100.76,54.8 98.5,54.8 97.8,55.5 97.8,57.6 102.5,62.3 102.5,82.87 105.62,86 110.8,86 111,86.2 111,86.5 109.95,87.55 T3.16